# Altium PCB PCB_3U_SMA.PCBDOC (part 2 of 2)
Units mil, origin at the board's own origin, x right, y up, seen from the top; angles counter-clockwise.
Board outline 2535.43 x 3937 mil, 4 copper layers (Top, MP(G), L3, Bot), stack 63.153 mil thick; 154 components, 103 nets, 620 pads, 360 vias.
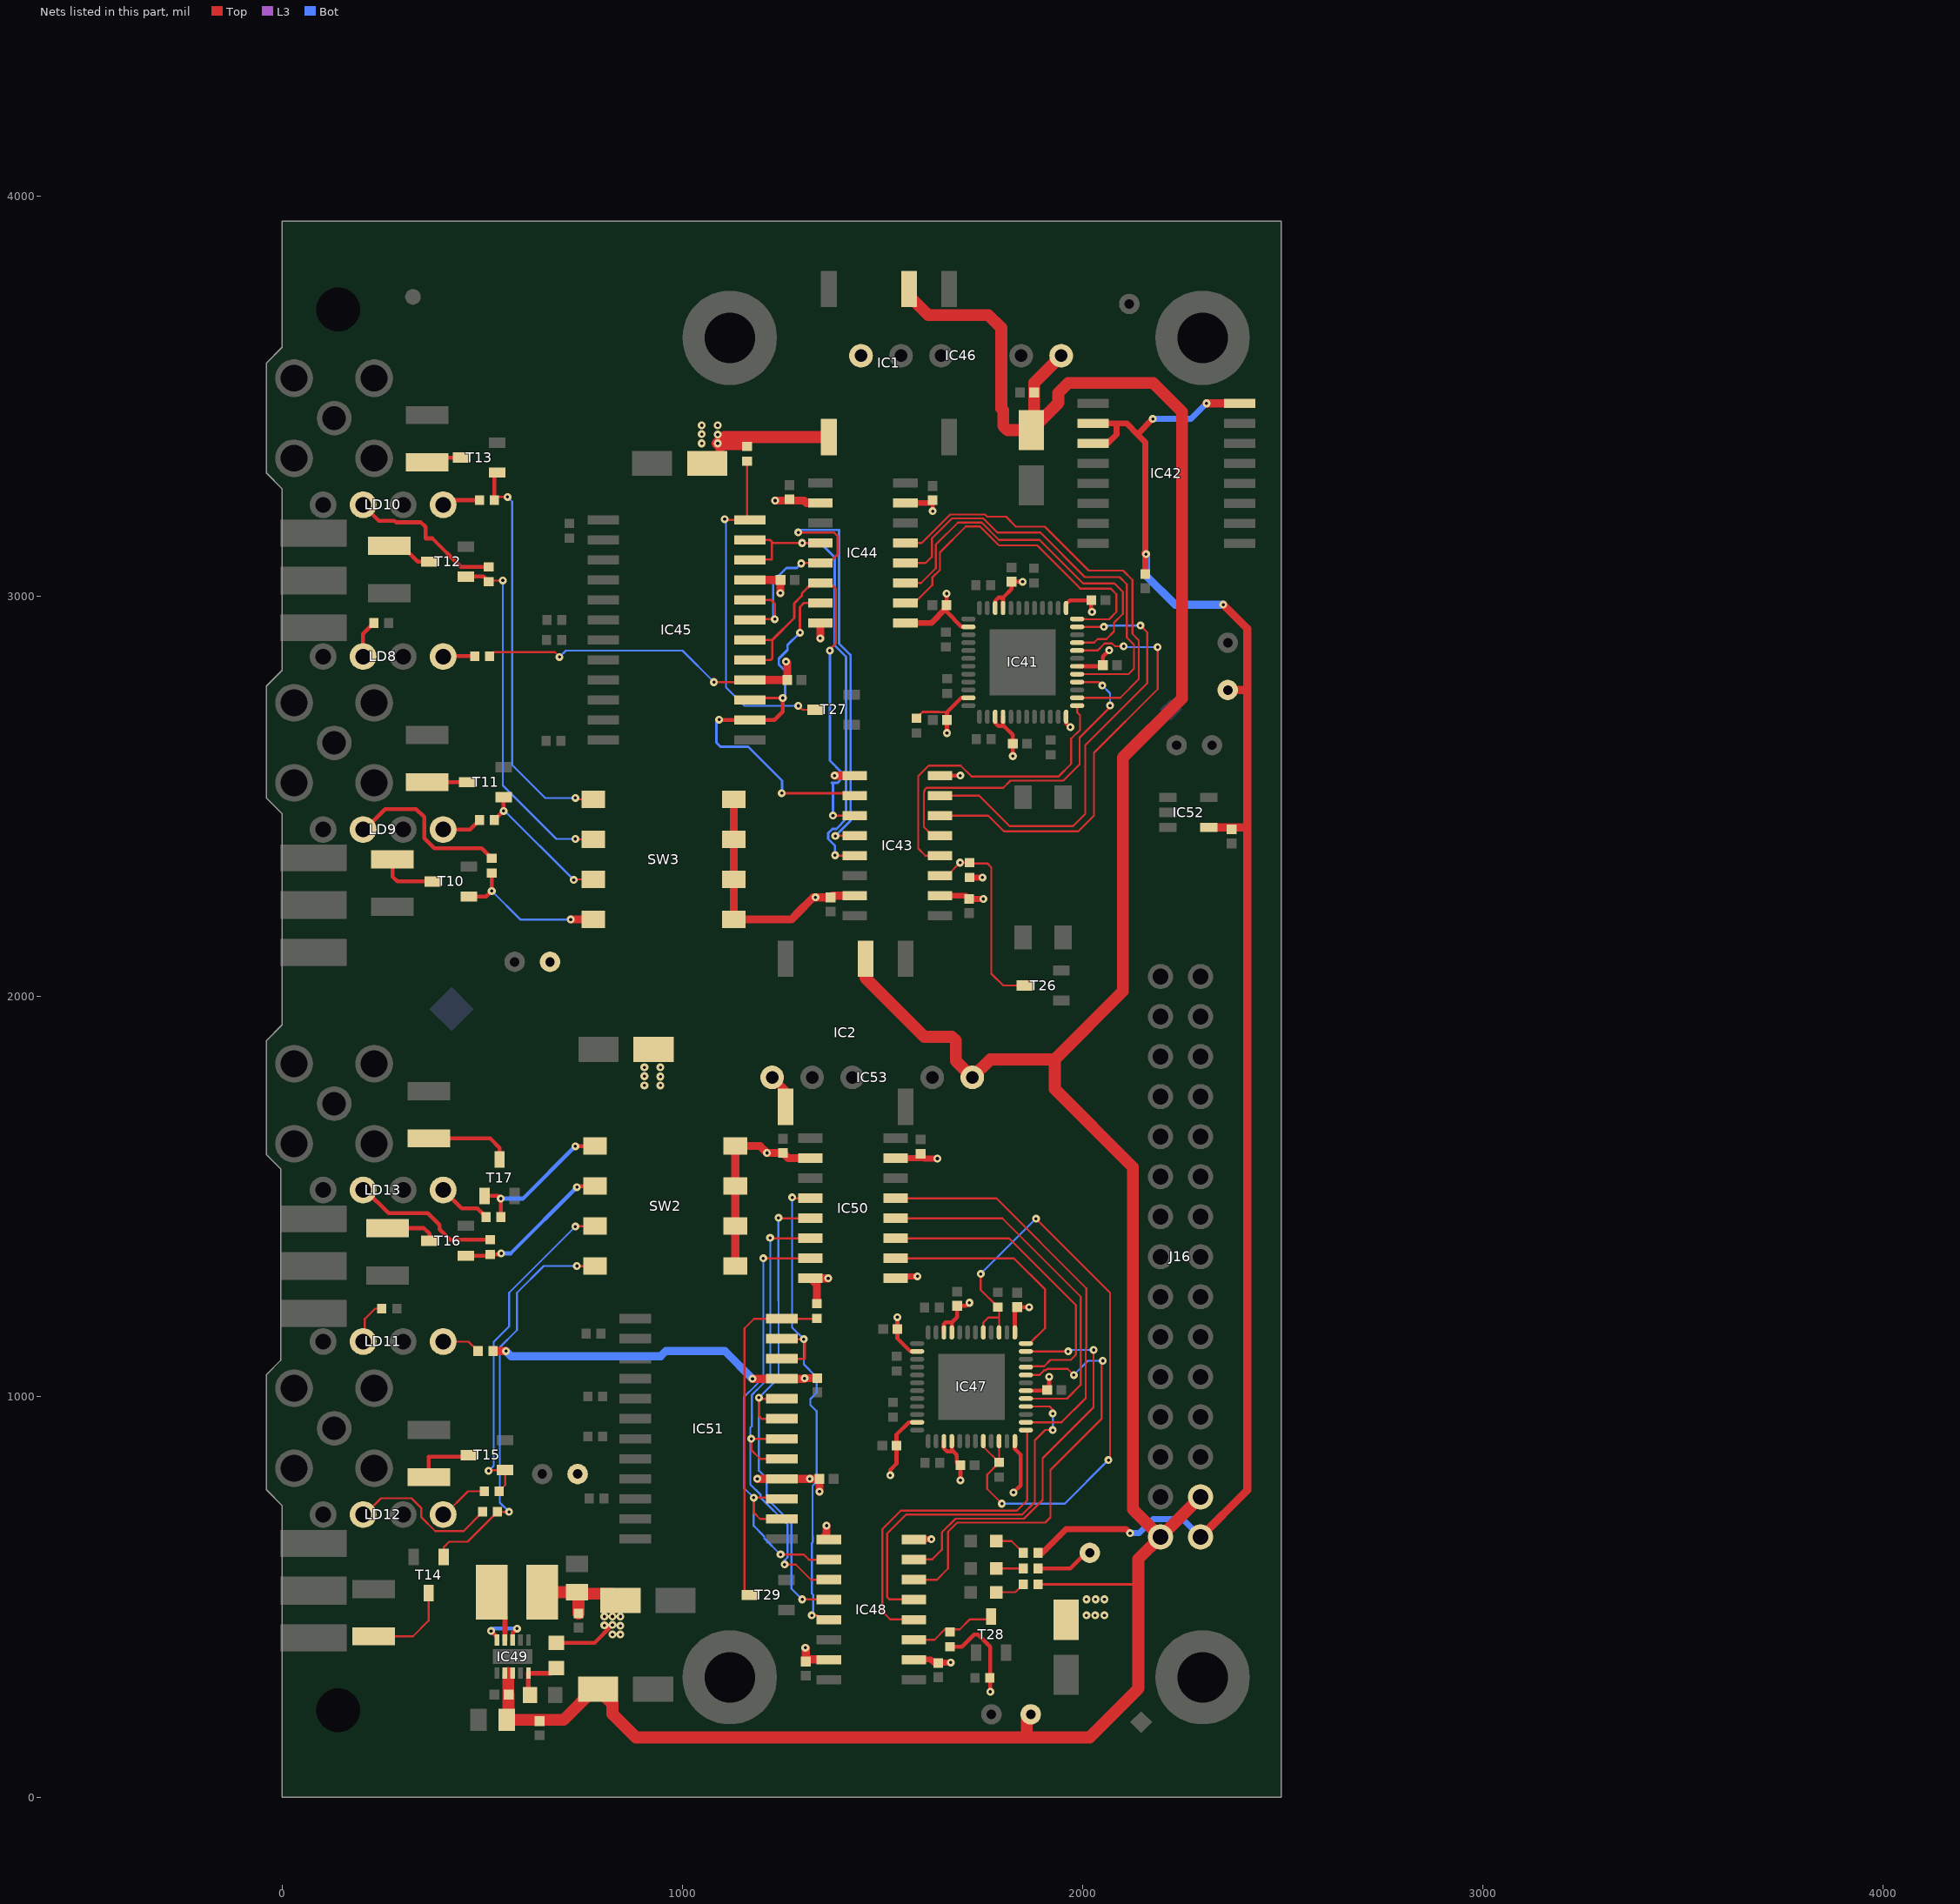
[diagram p4: the nets of this part, all layers, seen from the top]

## Via types
v1: diameter 19.68, hole 7.87, Top to Bot, tented both sides, 345 vias
v2: diameter 23.62, hole 11.81, Top to Bot, tented both sides, 15 vias

## Nets (pads, with @x,y where several pads share a name; then routed paths per layer and width w, separated by ;. In a path a pad name is that pad's centre, name@x,y a point inside that pad or via, vN(x,y) a via of type N, cw(c..) or ccw(c..) an arc to the next point about the centre after c; other vN are vias at no path point) (continued)
NetIC41_25: IC41.25 IC43.12 | length 818.4
  Top w5: IC43.12@1643.3,2352 1607,2352 1589,2370 1589,2551 1615,2577 1618.47,2577 1618.82,2576.66 1633.18,2576.66 1633.53,2577 1695,2577 1722,2550 1940,2550 1971,2581 1971,2644 1993,2666 1993,2703 1985.83,2710.17 IC41.25@1985.83,2726.73 IC41.25@1986.34,2726.22
NetIC41_26: IC41.26 IC44.5 | length 1092.4
  Top w5: IC44.5@1556.87,3133.15 1597.72,3133.15 1668.91,3204.34 1755.61,3204.34 1761.13,3198.82 1808.18,3198.82 1833,3174 1905,3174 2015,3064 2101,3064 2124,3041 2124,2906 2140,2890 2140,2793 2093.42,2746.42 IC41.26@1985.83,2746.42
NetIC41_28: IC41.28 IC43.13 | length 859.5
  Top w5: IC43.13@1643.3,2402 1624.6,2402 1603,2423.6 1603,2512 1605.29,2514.29 1605.29,2516.92 1609.68,2521.31 1801.18,2521.31 1819.24,2539.37 1951.37,2539.37 1992,2580 1992,2647 2068,2723 v1(2068,2727) ; IC41.28@1985.83,2785.79 2040.21,2785.79 v1(2049,2777)
  Bot w5: v1(2049,2777) 2068,2758 v1(2068,2727)
NetIC41_29: IC41.29 IC44.4 | length 1060.3
  Top w5: IC44.4@1556.87,3083.15 1607.57,3083.15 1623.08,3098.65 1623.08,3144.37 1673.05,3194.34 1751.47,3194.34 1786.81,3159 1894,3159 2005,3048 2092,3048 2110,3030 2110,2897 2128,2879 2128,2819 2114.47,2805.47 IC41.29@1985.83,2805.47
NetIC41_32: IC41.32 IC43.14 | length 1116.3
  Top w5: IC43.14@1643.3,2452 1764,2452 1803,2413 1989,2413 2028,2452 2028,2609 2187,2768 v1(2187,2873) ; IC41.32@1985.83,2864.53 2036.53,2864.53 2054.34,2882.34 2073.18,2882.34 2080.53,2875 v1(2102,2875)
  Bot w5: v1(2102,2875) 2104,2873 v1(2187,2873)
NetIC41_33: IC41.33 IC44.3 | length 923.9
  Top w5: IC44.3@1556.87,3033.15 1596.14,3033.15 1633.08,3070.09 1633.08,3129.14 1688.28,3184.34 1747.33,3184.34 1790.67,3141 1892,3141 2001,3032 2079,3032 2100,3011 2100,2956 2078,2934 2078,2912 2059,2893 2037,2893 2028.21,2884.21 IC41.33@1985.83,2884.21
NetIC41_35: IC41.35 IC43.15 | length 1108.2
  Top w5: IC43.15@1643.3,2502 1741,2502 1817,2426 1975.59,2426 2006,2456.41 2006,2628 2161,2783 2161,2910 v1(2144,2927) ; IC41.35@1985.83,2923.58 v1(2052.58,2923.58)
  Bot w5: v1(2052.58,2923.58) 2056,2927 v1(2144,2927)
NetIC41_36: IC41.36 IC44.2 | length 867.5
  Top w5: IC44.2@1559.87,2980.15 IC44.2@1556.87,2983.15 1579.39,2983.15 1624.02,3027.77 1624.02,3046.88 1643.08,3065.94 1643.08,3109.61 1707.81,3174.34 1743.18,3174.34 1790.53,3127 1886,3127 1994,3019 2070,3019 2084,3005 2084,2961 2065.66,2942.66 2010.61,2942.66 2010,2943.27 IC41.36@1985.83,2943.27
NetIC43_2: IC43.2 IC44.15 IC45.14 IC45.15 | length 1084.1
  Top w6: IC45.15@1168.59,2740.84 IC45.15@1173.59,2745.84 ; IC45.15@1169.6,2745.84 v1(1250.53,2745.84) ; v1(1248,2508) 1424.7,2508 IC43.2@1430.7,2502 ; v1(1293.57,2909.15) 1293.57,2973.15 1303.57,2983.15 IC44.15@1344.28,2983.15
  Top w10: v1(1091.52,2691.84) 1092.52,2690.84 1229.53,2690.84 1250.53,2711.84 v1(1250.53,2745.84)
  Bot w6: v1(1091.52,2691.84) 1084.68,2685 1084.68,2634.45 1095.13,2624 1164.37,2624 1249,2539.37 1249,2509 v1(1248,2508) ; v1(1250.53,2745.84) 1256.53,2751.84 1256.53,2813.61 1240.69,2829.45 1240.69,2844.23 1262.37,2865.92 1262.37,2877.94 v1(1293.57,2909.15)
NetIC43_3: IC43.3 IC44.14 IC45.17 IC45.18 | length 1072.4
  Top w6: IC45.17@1168.59,2840.84 1220.52,2840.84 1224.52,2844.84 1224.52,2890.84 ; IC45.18@1168.59,2890.84 1224.52,2890.84 ; v1(1368.11,2864.17) 1368.11,2867.11 1382.79,2881.79 1382.79,3019.02 1368.66,3033.15 IC44.14@1344.28,3033.15 1324.28,3033.15 1298.09,3006.96 1298.09,3000.74 1279.53,2982.18 1279.53,2945.85 1224.52,2890.84 ; v1(1376,2452) IC43.3@1430.7,2452
  L3 w6: v1@1365.1,2861.16 v1(1368.11,2864.17)
  Bot w6: v1(1368.11,2864.17) 1368.11,2589.13 1397.84,2559.39 1397.84,2544.61 1387.39,2534.16 1372.61,2534.16 1376,2530.77 v1(1376,2452)
NetIC43_4: IC43.4 IC44.13 IC45.19 IC45.20 | length 1555.5
  Top w6: IC45.19@1166.6,2942.84 IC45.19@1170.59,2942.84 ; IC45.19@1168.59,2940.84 IC45.19@1170.59,2942.84 ; IC45.20@1168.59,2990.84 1221.53,2990.84 1230.53,2981.84 v1(1230.53,2942.84) IC45.19@1170.59,2942.84 ; v1(1289.37,3159.45) 1377.95,3159.45 1387.8,3149.61 1387.8,3104.91 1366.04,3083.15 IC44.13@1344.28,3083.15 1297.57,3083.15 v1(1296.57,3082.15) ; v1(1382,2401) 1383,2402 IC43.4@1430.7,2402
  Bot w6: v1(1230.53,2942.84) 1226.69,2946.68 1226.69,3037.71 1259.84,3070.87 1285.29,3070.87 v1(1296.57,3082.15) v1@1300.42,3078.31 ; v1(1289.37,3159.45) 1295.85,3165.93 1391.16,3165.93 1391.16,2881.91 1419.84,2853.22 1419.84,2438.84 v1(1382,2401)
NetIC43_5: IC43.5 IC44.12 IC45.22 IC45.23 | length 1211.4
  Top w6: IC45.22@1168.59,3090.84 1169.59,3091.84 1223.52,3091.84 1223.52,3135.84 ; IC45.23@1168.59,3140.84 1218.52,3140.84 1223.52,3135.84 ; IC44.12@1344.28,3133.15 v1(1299.21,3133.15) 1226.21,3133.15 1223.52,3135.84 ; v1(1381,2353) 1382,2352 IC43.5@1430.7,2352
  Bot w6: v1(1299.21,3133.15) 1344.28,3133.15 1380.16,3097.27 1380.16,2877.35 1408.84,2848.67 1408.84,2443.4 1384.29,2418.84 1374.61,2418.84 1364.16,2408.39 1364.16,2393.61 1381,2376.77 v1(1381,2353)
NetIC43_11: IC43.11 R196.1 T26.3 | length 516.9
  Top w5: IC43.11@1643.3,2302 1661,2302 v1(1693.5,2334.5) R196.1@1717,2334.5 1718.83,2332.68 1761.81,2332.68 1771.65,2322.83 1771.65,2057.09 1801.18,2027.56 T26.3@1855.72,2027.56
  Bot w5: v1@1687.74,2328.74 v1(1693.5,2334.5)
NetIC45_24: IC45.24 R210.1 T27.3 | length 882.6
  Top w5: v1(1105.52,3192.84) 1107.52,3190.84 IC45.24@1168.59,3190.84 1161.42,3198.02 R210.1@1161.42,3337.8 ; v1(1289.37,2726.38) 1299.21,2716.54 T27.3@1332.68,2716.54
  Bot w5: v1(1105.52,3192.84) 1108.86,3189.5 1108.86,2772.33 1154.81,2726.38 v1(1289.37,2726.38)
NetIC47_20: IC47.20 IC47.22 IC47.39 IC47.41 R221.1 R235.1 | length 1673.6
  Top w5: v1(1745,1307) 1745,1267 1787.5,1224.5 R235.1@1788,1224.5 1790.9,1221.6 1790.9,1198 ; IC47.20@1751.53,889.17 1751.53,875.47 1790.9,836.1 IC47.22@1790.9,889.17 ; IC47.41@1751.53,1160.83 1751.53,1185.53 1764,1198 1790.9,1198 ; R221.1@1790,834.5 1761,805.5 1761,770 v1(1798,733) ; IC47.39@1790.9,1160.83 1790.9,1198 ; v1(1883,1445) 2068,1260 2068,846 v1(2064,842)
  Bot w5: v1(1745,1307) v1(1883,1445) ; v1(1798,733) 1955,733 v1(2064,842)
NetIC47_25: IC47.25 IC48.12 | length 843.7
  Top w5: IC48.12@1560.3,444 1519,444 1499,464 1499,669 1545.66,715.66 1835.66,715.66 1861.34,741.34 1861.34,913.22 IC47.25@1857.83,916.73
NetIC47_26: IC47.26 IC50.5 | length 1019.3
  Top w5: IC50.5@1532.3,1496 1784,1496 2009,1271 2009,1122.69 2007.07,1120.77 2007.07,996.55 1946.94,936.42 IC47.26@1857.83,936.42
NetIC47_28: IC47.28 IC48.13 | length 942.6
  Top w5: IC48.13@1560.3,494 1517,494 1511,500 1511,658 1558.66,705.66 1848.66,705.66 1880,737 1880,891 1906,917 v1(1925,917) ; IC47.28@1857.83,975.79 1917,975.79 1925,967.79 v1(1925,958)
  Bot w5: v1(1925,917) v1(1925,958)
NetIC47_29: IC47.29 IC50.4 | length 915.3
  Top w5: IC50.4@1532.3,1446 1799,1446 1994.87,1250.13 1994.87,1029.87 1960.47,995.47 IC47.29@1857.83,995.47
NetIC47_32: IC47.32 IC48.14 | length 1142
  Top w5: IC48.14@1560.3,544 IC48.14@1578.3,544 ; IC48.14@1578.3,543 1635.52,543 1663.39,570.87 1663.39,662.65 1686.39,685.66 1906.13,685.66 1919.29,698.82 1919.29,816.93 2046.66,944.3 2046.66,1086.66 v1(2050,1090) ; IC47.32@1857.83,1054.53 1892,1054.53 1903.82,1066.34 1907.82,1066.34 1911.1,1069.63 1962.43,1069.63 v1(1977.53,1054.53)
  Bot w5: v1(1977.53,1054.53) 2013,1090 v1(2050,1090)
NetIC47_33: IC47.33 IC50.3 | length 781.8
  Top w5: IC50.3@1532.3,1396 1816,1396 1983,1229 1983,1105 1970,1092 1919.33,1092 1903.67,1076.34 1859.96,1076.34 IC47.33@1857.83,1074.21
NetIC47_35: IC47.35 IC48.15 | length 1024.1
  Top w5: IC48.15@1560.3,594 1624.02,594 1648.11,618.09 1648.11,661.52 1682.25,695.66 1852.8,695.66 1899.61,742.46 1899.61,846.46 2027,973.85 v1(2027,1117) ; IC47.35@1857.83,1113.58 v1(1963.58,1113.58)
  Bot w5: v1(1963.58,1113.58) 1967,1117 v1(2027,1117)
NetIC47_36: IC47.36 IC50.2 | length 558.6
  Top w5: IC50.2@1532.3,1346 1828,1346 1906,1268 1906,1172 IC47.36@1866,1132
NetIC48_2: IC48.2 IC50.15 IC51.14 IC51.15 | length 1226.6
  Top w5: v1(1202,1346) IC50.15@1319.7,1346 ; v1(1245,606) 1303,606 1316,593 IC48.2@1365.7,593 ; IC51.14@1248.07,695 1194,695 1178,711 v1(1178,748) 1245.07,748 IC51.15@1248.07,745
  Bot w5: v1(1202,1346) 1202,1047.25 1182.25,1027.5 1181.83,1027.5 1154,999.67 1154,772 v1(1178,748) 1178,677.53 1204.34,651.18 1204.34,646.66 v1(1245,606)
NetIC48_3: IC48.3 IC50.14 IC51.17 IC51.18 | length 1295.2
  Top w5: v1(1219,1397) 1220,1396 IC50.14@1319.7,1396 ; IC51.17@1248.07,845 1194,845 1172,867 v1(1172,895) IC51.18@1248.07,895 ; v1(1255,581) 1283,581 1321,543 IC48.3@1365.7,543
  Bot w5: v1(1219,1397) 1219.34,1396.66 1219.34,1050.45 1186.39,1017.5 1185.97,1017.5 1173.66,1005.18 1173.66,927 1169.66,923 1169.66,780.87 1195.34,755.18 1195.34,747.66 1262.34,680.66 1262.34,598.82 1255,591.47 v1(1255,581)
NetIC48_4: IC48.4 IC50.13 IC51.19 IC51.20 | length 1330.1
  Top w5: v1(1240,1447) 1241,1446 IC50.13@1319.7,1446 ; IC51.19@1248.07,945 1198,945 1191,952 v1(1191,998) 1194,995 IC51.20@1248.07,995 ; v1(1299,494) 1364.7,494 IC48.4@1365.7,493
  Bot w5: v1(1240,1447) 1239.31,1446.31 1239.31,1240.85 1240,1240.16 1240,1047 v1(1191,998) 1191,815.53 1210,796.53 1210,747.14 1272.34,684.8 1272.34,520.66 v1(1299,494)
NetIC48_5: IC48.5 IC50.12 IC51.22 IC51.23 | length 1346.5
  Top w5: IC51.22@1248.07,1095 1306,1095 1306,1141 v1(1303,1144) IC51.23@1249.07,1144 ; v1(1274,1498) 1276,1496 IC50.12@1319.7,1496 ; v1(1323,454) 1337,454 1348,443 IC48.5@1365.7,443
  Bot w5: v1(1274,1498) 1274,1173 v1(1303,1144) 1303,1081 1335.34,1048.66 1335.34,1009.87 1319.66,994.18 1319.66,979.82 1335.34,964.13 1335.34,787.82 1324.94,777.42 1324.94,651.58 1325.34,651.18 1325.34,636.82 1323,634.47 1323,508.67 1326.34,505.33 1326.34,457.34 v1(1323,454)
NetIC48_11: IC48.11 R218.1 T28.3 | length 239.9
  Top w5: IC48.11@1560.3,394 IC48.11@1578.3,394 ; IC48.11@1578.3,393 1629.5,393 1655.42,418.91 1692.91,418.91 1718.28,444.28 1774,444.28 T28.3@1770.5,447.77
NetIC49_5: IC49.5 R231.1 R237.2 | length 131.3
  Top w12: R237.2@619.5,255 615.37,259.13 IC49.5@615.37,309.66 672.16,309.66 R231.1@685,322.5
NetIC49_9: IC49.9 L17.1 | length 57.7
  Top w13: IC49.9@556.31,392.34 L17.1@556.31,450
NetIC51_24: IC51.24 R236.1 T29.3 | length 863.1
  Top w5: T29.3@1168.72,505 1154.66,519.07 1154.66,1170.66 1179,1195 IC51.24@1248.07,1195 1335.5,1195 R236.1@1336,1195.5
NetLD1_2: LD1.2 R1.1 | length 75.3
  Top w5: LD1.2@1784.45,511.81 1831.89,511.81 R1.1@1851.57,531.5
NetLD2_2: LD2.2 R2.2 | length 67.1
  Top w5: LD2.2@1784.45,570.87 R2.2@1851.57,570.87
NetLD3_2: LD3.2 R3.2 | length 79.4
  Top w5: LD3.2@1784.45,639.76 1822.05,639.76 R3.2@1851.57,610.24
NetLD8_2: LD8.2 R194.2 | length 94.9
  Top w10: LD8.2@202.36,2849.41 202.36,2905.91 R194.2@229.53,2933.07
NetLD8_4: LD8.4 R195.2 | length 79.5
  Top w10: LD8.4@402.36,2849.41 403.35,2850.39 R195.2@481.5,2850.39
NetLD9_2: LD9.2 R213.2 | length 420.4
  Top w10: LD9.2@206.3,2417.32 257.48,2468.5 334.65,2468.5 354.88,2448.27 354.88,2395.67 380.48,2370.08 498.82,2370.08 R213.2@523.62,2345.28
NetLD9_4: LD9.4 R214.2 | length 96.8
  Top w10: LD9.4@406.3,2417.32 469.69,2417.32 R214.2@493.31,2440.94
NetLD10_2: LD10.2 R215.2 | length 394.3
  Top w10: LD10.2@202.36,3228.35 241.73,3188.98 280.26,3188.98 284.36,3184.88 346.61,3184.88 358.27,3173.23 358.27,3144.49 375.2,3144.49 446.06,3073.62 R215.2@515.75,3073.62
NetLD10_4: LD10.4 R216.2 | length 95.8
  Top w10: LD10.4@402.36,3228.35 414.17,3240.16 R216.2@493.31,3240.16
NetLD11_2: LD11.2 R217.2 | length 110.4
  Top w5: LD11.2@206.3,1137.8 206.3,1194.49 232.28,1220.47 R217.2@249.21,1220.47
NetLD11_4: LD11.4 R220.2 | length 92.9
  Top w5: LD11.4@406.3,1137.8 465.75,1137.8 R220.2@489.37,1114.17
NetLD12_2: LD12.2 R238.2 | length 378.9
  Top w5: LD12.2@206.3,705.71 247.26,746.67 323.27,746.67 347.26,722.68 347.26,699.98 382.5,664.74 453.33,664.74 R238.2@501.18,712.6
NetLD12_4: LD12.4 R239.2 | length 122.9
  Top w5: LD12.4@406.3,705.71 464.37,763.78 R239.2@505.12,763.78
NetLD13_2: LD13.2 R240.2 | length 375
  Top w10: LD13.2@202.36,1516.73 207.68,1516.73 265.75,1458.66 364.17,1458.66 393.39,1429.45 393.39,1418.88 419.75,1392.52 R240.2@519.69,1392.52
NetLD13_4: LD13.4 R241.2 | length 134.8
  Top w10: LD13.4@402.36,1516.73 448.62,1470.47 487.4,1470.47 R241.2@509.06,1448.82
NetR199_1: R199.1 T10.3 | length 148.6
  Top w10: R199.1@275.59,2342.52 275.59,2299.21 287.4,2287.4 T10.3@375.98,2287.4
NetR202_1: R202.1 T11.3 | length 100.4
  Top w10: R202.1@362.2,2535.43 T11.3@462.6,2535.43
NetR205_1: R205.1 T12.3 | length 116.7
  Top w10: R205.1@267.72,3125.98 299.21,3125.98 338.58,3086.61 T12.3@368.11,3086.61
NetR208_1: R208.1 T13.3 | length 89.5
  Top w10: R208.1@362.2,3334.65 374.02,3346.46 T13.3@446.85,3346.46
NetR223_1: R223.1 T14.3 | length 223
  Top w5: R223.1@228.35,401.57 326.77,401.57 366.14,440.94 T14.3@366.14,509.84
NetR225_1: R225.1 T15.3 | length 153.2
  Top w10: R225.1@366.14,799.21 366.14,850.39 462.6,850.39 T15.3@466.54,854.33
NetR228_1: R228.1 T16.3 | length 127.8
  Top w10: R228.1@263.78,1421.26 354.33,1421.26 368.11,1407.48 T16.3@368.11,1389.76
NetR232_1: R232.1 T17.3 | length 216.5
  Top w10: R232.1@366.14,1645.67 519.69,1645.67 543.31,1622.05 T17.3@543.31,1592.52
P3V3: B7.1 C171.2 C172.2 C173.2 C174.2 C175.2 C176.2 C177.2 C178.2 C179.1 C180.2 C181.2 C182.2 C183.2 C184.2 C185.2 C186.2 C187.2 C188.1 C189.2 C190.2 IC41.2 IC41.11 IC41.15 IC41.16 IC41.24 IC41.30 IC41.37 IC41.45 IC41.46 IC43.10 IC43.16 IC44.1 IC44.7 IC47.2 IC47.11 IC47.15 IC47.16 IC47.24 IC47.30 IC47.37 IC47.45 IC47.46 IC48.10 IC48.16 IC49.8 IC49.10 IC50.1 IC50.7 L17.2 R2.1 R196.2 R197.2 R218.2 R219.2 R231.2 | length 3391.4
  Top w6: R197.2@1584.65,2695.67 1600.18,2711.2 1640.8,2711.2 1641.29,2710.72 1660.72,2710.72
  Top w10: v1(522,415) 536.63,400.37 IC49.10@536.63,392.34 ; IC49.8@576,392.34 576,410 v1(587,421) ; R231.2@685,385.5 780.5,385.5 v1(825,430) ; v1(1519.16,804) 1519.16,816.84 1519,817 1534.72,832.72 C186.2@1534.72,878 1534.72,905.72 1565.42,936.42 IC47.11@1586.17,936.42 ; v1(1536.72,1198.72) C187.2@1536.72,1169 1536.72,1146.28 1569.42,1113.58 IC47.2@1586.17,1113.58 ; v1(1625,3212.88) C171.2@1625,3240.16 ; IC43.16@1643.3,2552 v1(1694,2552) ; IC47.15@1653.1,889.17 1653.1,870.9 1661,863 1677,863 ; IC47.46@1653.1,1160.83 1653.1,1182.1 1656.79,1185.79 1672.79,1185.79 ; C175.2@1659.72,2971.35 1659.72,2961.28 1697.42,2923.58 IC41.2@1714.17,2923.58 ; C175.2@1659.72,2978 v1(1659.72,3006.72) ; v1(1660.72,2658.28) C176.2@1660.72,2691 1660.72,2710.72 1696.42,2746.42 IC41.11@1714.17,2746.42 ; R218.2@1668,375.5 1698.17,375.5 1728.67,406 1738.01,406 1768.5,375.5 1768.5,263.5 v1(1769,263) ; IC47.16@1672.79,889.17 1672.79,867.21 1677,863 ; IC47.45@1672.79,1160.83 1672.79,1185.79 ; C185.2@1685,836 1685,855 1677,863 ; v1(1694.28,791.28) C185.2@1694.28,829 ; v1(1717,1235) 1709.28,1227.28 C189.2@1686,1227.28 1686,1199 1672.79,1185.79 ; IC41.15@1781.1,2699.17 1781.1,2683.9 1789,2676 1803,2676 ; IC41.46@1781.1,2970.83 1781.1,2988.1 1789.79,2996.79 1800.79,2996.79 ; IC41.16@1800.79,2699.17 1800.79,2678.21 1803,2676 ; IC41.45@1800.79,2970.83 1800.79,2996.79 ; v1(1825.28,2600.72) C172.2@1825.28,2632 1825.28,2653.72 1803,2676 ; v1(1827,761) 1844.84,778.84 1844.84,855.16 1830.27,869.73 IC47.24@1830.27,889.17 ; IC47.37@1830.27,1160.83 1830.27,1218.55 C181.2@1836,1224.28 v1@1860.28,1224.28 ; v1(1849.72,3036.28) C173.2@1822,3036.28 1822,3018 1800.79,2996.79 ; IC47.30@1857.83,1015.16 1909.44,1015.16 C184.2@1911.28,1017 1911,1017.28 1916,1022.28 v1(1916,1050) ; R2.1@1888.58,570.87 1968.5,570.87 B7.1@2007.87,610.24 ; IC41.24@1958.27,2699.17 1958.27,2683.73 v1(1969,2673) ; IC41.37@1958.27,2981 1967.27,2990 C180.2@2021.28,2990 2021.28,2962.72 v1(2023,2961) ; IC41.30@1985.83,2825.16 2047.44,2825.16 C174.2@2050.28,2828 2050.28,2849.28 v1(2066,2865)
  Top w15: IC50.1@1532.3,1301 v1(1587,1301) ; IC50.7@1532.3,1596 1602.28,1596 1603,1595.28 v1(1636.72,1595.28) ; IC44.1@1556.87,2933.15 1621.52,2933.15 1659.72,2971.35 C175.2@1659.72,2978 ; IC44.7@1556.87,3233.15 1617.99,3233.15 C171.2@1625,3240.16 ; IC48.10@1560.3,344 1619.72,344 1629,334.72 C183.2@1639,334.72 1640.28,336 v1(1670,336) ; IC48.16@1560.3,644 v1(1622,644) ; IC43.10@1643.3,2252 1707.72,2252 C177.2@1716,2243.72 v1(1751.72,2243.72) ; R196.2@1717,2297.5 v1(1749.5,2297.5)
  Top w30: L17.2@649.61,511.81 C190.2@736.22,511.81 C190.2@740.03,508 ; C190.2@730,508 C190.2@740.03,508 ; C182.2@740.16,458.66 740.16,507.87 C190.2@740.03,508 ; C188.1@825.1,508 C190.2@740.03,508
  Bot w10: v1(522,415) 528,421 v1(587,421)
  other v1: 825,406 845,406 845,428 805,429 805,451 825,451 845,451 2009,454 2031,454 2054,454 2009,494 2032,494 2054,494 1866,1224
P3V3_MP: B5.1 C163.2 C200.2 IC42.2 IC42.3 IC42.16 IC52.4 J16.30 R3.1 | length 4156.1
  Top w15: R3.1@1888.58,610.24 1899.61,610.24 1958.66,669.29 2108.16,669.29 v1(2118,659.45) ; IC42.3@2025.93,3382 2062,3382 2084,3404 2084,3432 ; IC42.2@2025.93,3432 2084,3432 ; C200.2@2156,3055.72 2156,3107 2156,3385 2136.5,3404.5 ; v1(2175,3443) 2136.5,3404.5 ; 2084,3432 2109,3432 2136.5,3404.5
  Top w20: v1@2156,3107 v1(2158,3105) ; J16.30@2294,650 2411,767 2411,2418 ; v1(2309,3482) IC42.16@2392.07,3482 ; IC52.4@2315.18,2422.6 2406.4,2422.6 2411,2418 ; v1(2351,2979) 2411,2919 2411,2765.75 ; B5.1@2362.2,2765.75 2411,2765.75 ; 2411,2418 2411,2765.75